# KiCad board panel.opm-inline.kicad_pcb (continued)
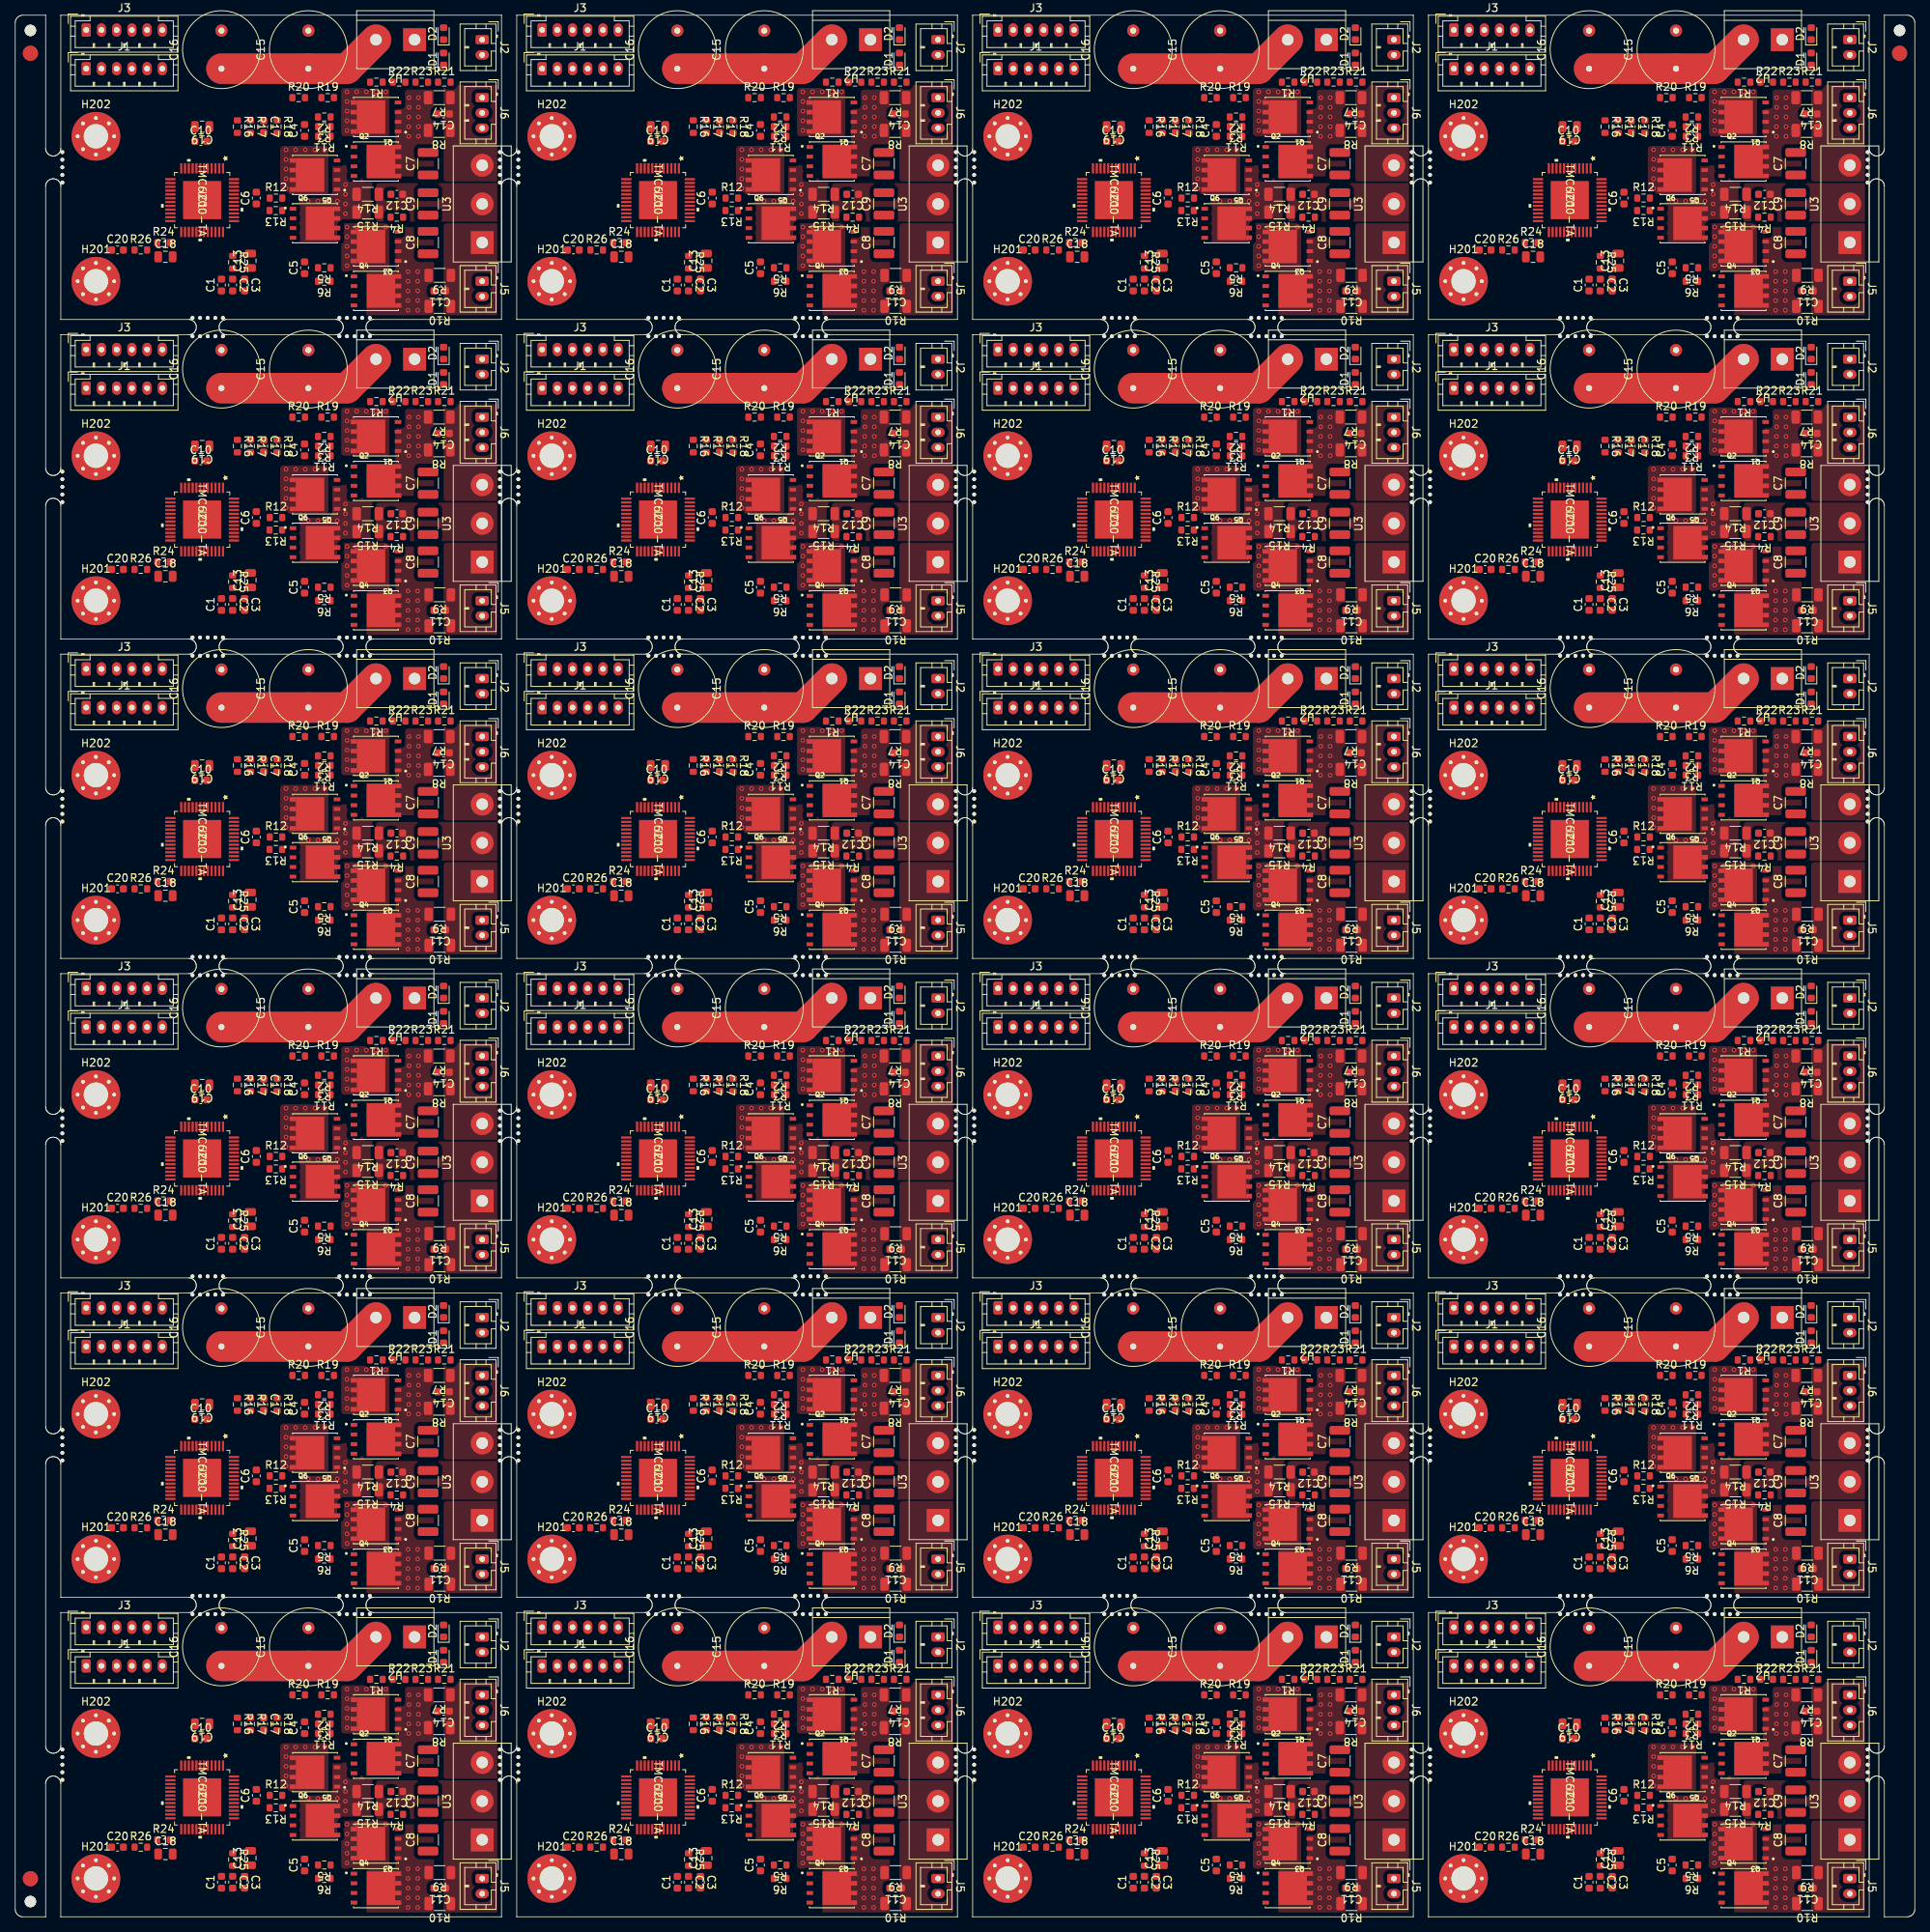
[diagram p0: board, top side]
## Placement (name value [footprint] x y rotation side) (continued)
C13#9  2.2uF/50V  [C_0805_2012Metric]  30.93 133.7 90 top
C13#10  2.2uF/50V  [C_0805_2012Metric]  90.88 133.7 90 top
C13#11  2.2uF/50V  [C_0805_2012Metric]  150.83 133.7 90 top
C13#12  2.2uF/50V  [C_0805_2012Metric]  210.78 133.7 90 top
C13#13  2.2uF/50V  [C_0805_2012Metric]  30.93 91.71 90 top
C13#14  2.2uF/50V  [C_0805_2012Metric]  90.88 91.71 90 top
C13#15  2.2uF/50V  [C_0805_2012Metric]  150.83 91.71 90 top
C13#16  2.2uF/50V  [C_0805_2012Metric]  210.78 91.71 90 top
C13#17  2.2uF/50V  [C_0805_2012Metric]  30.93 49.72 90 top
C13#18  2.2uF/50V  [C_0805_2012Metric]  90.88 49.72 90 top
C13#19  2.2uF/50V  [C_0805_2012Metric]  150.83 49.72 90 top
C13#20  2.2uF/50V  [C_0805_2012Metric]  210.78 49.72 90 top
C13#21  2.2uF/50V  [C_0805_2012Metric]  30.93 7.73 90 top
C13#22  2.2uF/50V  [C_0805_2012Metric]  90.88 7.73 90 top
C13#23  2.2uF/50V  [C_0805_2012Metric]  150.83 7.73 90 top
C13#24  2.2uF/50V  [C_0805_2012Metric]  210.78 7.73 90 top
C14  1nF/100V  [C_0603_1608Metric]  56.33 236.98 180 top
C14#2  1nF/100V  [C_0603_1608Metric]  116.28 236.98 180 top
C14#3  1nF/100V  [C_0603_1608Metric]  176.23 236.98 180 top
C14#4  1nF/100V  [C_0603_1608Metric]  236.18 236.98 180 top
C14#5  1nF/100V  [C_0603_1608Metric]  56.33 194.99 180 top
C14#6  1nF/100V  [C_0603_1608Metric]  116.28 194.99 180 top
C14#7  1nF/100V  [C_0603_1608Metric]  176.23 194.99 180 top
C14#8  1nF/100V  [C_0603_1608Metric]  236.18 194.99 180 top
C14#9  1nF/100V  [C_0603_1608Metric]  56.33 153 180 top
C14#10  1nF/100V  [C_0603_1608Metric]  116.28 153 180 top
C14#11  1nF/100V  [C_0603_1608Metric]  176.23 153 180 top
C14#12  1nF/100V  [C_0603_1608Metric]  236.18 153 180 top
C14#13  1nF/100V  [C_0603_1608Metric]  56.33 111.01 180 top
C14#14  1nF/100V  [C_0603_1608Metric]  116.28 111.01 180 top
C14#15  1nF/100V  [C_0603_1608Metric]  176.23 111.01 180 top
C14#16  1nF/100V  [C_0603_1608Metric]  236.18 111.01 180 top
C14#17  1nF/100V  [C_0603_1608Metric]  56.33 69.02 180 top
C14#18  1nF/100V  [C_0603_1608Metric]  116.28 69.02 180 top
C14#19  1nF/100V  [C_0603_1608Metric]  176.23 69.02 180 top
C14#20  1nF/100V  [C_0603_1608Metric]  236.18 69.02 180 top
C14#21  1nF/100V  [C_0603_1608Metric]  56.33 27.03 180 top
C14#22  1nF/100V  [C_0603_1608Metric]  116.28 27.03 180 top
C14#23  1nF/100V  [C_0603_1608Metric]  176.23 27.03 180 top
C14#24  1nF/100V  [C_0603_1608Metric]  236.18 27.03 180 top
C15  330uF/63V  [C_Radial_D10.0mm_H20.0mm_P5.00mm]  38.55 242.93 90 top
C15#2  330uF/63V  [C_Radial_D10.0mm_H20.0mm_P5.00mm]  98.5 242.93 90 top
C15#3  330uF/63V  [C_Radial_D10.0mm_H20.0mm_P5.00mm]  158.45 242.93 90 top
C15#4  330uF/63V  [C_Radial_D10.0mm_H20.0mm_P5.00mm]  218.4 242.93 90 top
C15#5  330uF/63V  [C_Radial_D10.0mm_H20.0mm_P5.00mm]  38.55 200.94 90 top
C15#6  330uF/63V  [C_Radial_D10.0mm_H20.0mm_P5.00mm]  98.5 200.94 90 top
C15#7  330uF/63V  [C_Radial_D10.0mm_H20.0mm_P5.00mm]  158.45 200.94 90 top
C15#8  330uF/63V  [C_Radial_D10.0mm_H20.0mm_P5.00mm]  218.4 200.94 90 top
C15#9  330uF/63V  [C_Radial_D10.0mm_H20.0mm_P5.00mm]  38.55 158.95 90 top
C15#10  330uF/63V  [C_Radial_D10.0mm_H20.0mm_P5.00mm]  98.5 158.95 90 top
C15#11  330uF/63V  [C_Radial_D10.0mm_H20.0mm_P5.00mm]  158.45 158.95 90 top
C15#12  330uF/63V  [C_Radial_D10.0mm_H20.0mm_P5.00mm]  218.4 158.95 90 top
C15#13  330uF/63V  [C_Radial_D10.0mm_H20.0mm_P5.00mm]  38.55 116.96 90 top
C15#14  330uF/63V  [C_Radial_D10.0mm_H20.0mm_P5.00mm]  98.5 116.96 90 top
C15#15  330uF/63V  [C_Radial_D10.0mm_H20.0mm_P5.00mm]  158.45 116.96 90 top
C15#16  330uF/63V  [C_Radial_D10.0mm_H20.0mm_P5.00mm]  218.4 116.96 90 top
C15#17  330uF/63V  [C_Radial_D10.0mm_H20.0mm_P5.00mm]  38.55 74.97 90 top
C15#18  330uF/63V  [C_Radial_D10.0mm_H20.0mm_P5.00mm]  98.5 74.97 90 top
C15#19  330uF/63V  [C_Radial_D10.0mm_H20.0mm_P5.00mm]  158.45 74.97 90 top
C15#20  330uF/63V  [C_Radial_D10.0mm_H20.0mm_P5.00mm]  218.4 74.97 90 top
C15#21  330uF/63V  [C_Radial_D10.0mm_H20.0mm_P5.00mm]  38.55 32.98 90 top
C15#22  330uF/63V  [C_Radial_D10.0mm_H20.0mm_P5.00mm]  98.5 32.98 90 top
C15#23  330uF/63V  [C_Radial_D10.0mm_H20.0mm_P5.00mm]  158.45 32.98 90 top
C15#24  330uF/63V  [C_Radial_D10.0mm_H20.0mm_P5.00mm]  218.4 32.98 90 top
C16  330uF/63V  [C_Radial_D10.0mm_H20.0mm_P5.00mm]  27.12 242.93 90 top
C16#2  330uF/63V  [C_Radial_D10.0mm_H20.0mm_P5.00mm]  87.07 242.93 90 top
C16#3  330uF/63V  [C_Radial_D10.0mm_H20.0mm_P5.00mm]  147.02 242.93 90 top
C16#4  330uF/63V  [C_Radial_D10.0mm_H20.0mm_P5.00mm]  206.97 242.93 90 top
C16#5  330uF/63V  [C_Radial_D10.0mm_H20.0mm_P5.00mm]  27.12 200.94 90 top
C16#6  330uF/63V  [C_Radial_D10.0mm_H20.0mm_P5.00mm]  87.07 200.94 90 top
C16#7  330uF/63V  [C_Radial_D10.0mm_H20.0mm_P5.00mm]  147.02 200.94 90 top
C16#8  330uF/63V  [C_Radial_D10.0mm_H20.0mm_P5.00mm]  206.97 200.94 90 top
C16#9  330uF/63V  [C_Radial_D10.0mm_H20.0mm_P5.00mm]  27.12 158.95 90 top
C16#10  330uF/63V  [C_Radial_D10.0mm_H20.0mm_P5.00mm]  87.07 158.95 90 top
C16#11  330uF/63V  [C_Radial_D10.0mm_H20.0mm_P5.00mm]  147.02 158.95 90 top
C16#12  330uF/63V  [C_Radial_D10.0mm_H20.0mm_P5.00mm]  206.97 158.95 90 top
C16#13  330uF/63V  [C_Radial_D10.0mm_H20.0mm_P5.00mm]  27.12 116.96 90 top
C16#14  330uF/63V  [C_Radial_D10.0mm_H20.0mm_P5.00mm]  87.07 116.96 90 top
C16#15  330uF/63V  [C_Radial_D10.0mm_H20.0mm_P5.00mm]  147.02 116.96 90 top
C16#16  330uF/63V  [C_Radial_D10.0mm_H20.0mm_P5.00mm]  206.97 116.96 90 top
C16#17  330uF/63V  [C_Radial_D10.0mm_H20.0mm_P5.00mm]  27.12 74.97 90 top
C16#18  330uF/63V  [C_Radial_D10.0mm_H20.0mm_P5.00mm]  87.07 74.97 90 top
C16#19  330uF/63V  [C_Radial_D10.0mm_H20.0mm_P5.00mm]  147.02 74.97 90 top
C16#20  330uF/63V  [C_Radial_D10.0mm_H20.0mm_P5.00mm]  206.97 74.97 90 top
C16#21  330uF/63V  [C_Radial_D10.0mm_H20.0mm_P5.00mm]  27.12 32.98 90 top
C16#22  330uF/63V  [C_Radial_D10.0mm_H20.0mm_P5.00mm]  87.07 32.98 90 top
C16#23  330uF/63V  [C_Radial_D10.0mm_H20.0mm_P5.00mm]  147.02 32.98 90 top
C16#24  330uF/63V  [C_Radial_D10.0mm_H20.0mm_P5.00mm]  206.97 32.98 90 top
C17  100nF/50V  [C_0603_1608Metric]  32.67 235.3 270 top
C17#2  100nF/50V  [C_0603_1608Metric]  92.62 235.3 270 top
C17#3  100nF/50V  [C_0603_1608Metric]  152.57 235.3 270 top
C17#4  100nF/50V  [C_0603_1608Metric]  212.52 235.3 270 top
C17#5  100nF/50V  [C_0603_1608Metric]  32.67 193.31 270 top
C17#6  100nF/50V  [C_0603_1608Metric]  92.62 193.31 270 top
C17#7  100nF/50V  [C_0603_1608Metric]  152.57 193.31 270 top
C17#8  100nF/50V  [C_0603_1608Metric]  212.52 193.31 270 top
C17#9  100nF/50V  [C_0603_1608Metric]  32.67 151.32 270 top
C17#10  100nF/50V  [C_0603_1608Metric]  92.62 151.32 270 top
C17#11  100nF/50V  [C_0603_1608Metric]  152.57 151.32 270 top
C17#12  100nF/50V  [C_0603_1608Metric]  212.52 151.32 270 top
C17#13  100nF/50V  [C_0603_1608Metric]  32.67 109.33 270 top
C17#14  100nF/50V  [C_0603_1608Metric]  92.62 109.33 270 top
C17#15  100nF/50V  [C_0603_1608Metric]  152.57 109.33 270 top
C17#16  100nF/50V  [C_0603_1608Metric]  212.52 109.33 270 top
C17#17  100nF/50V  [C_0603_1608Metric]  32.67 67.34 270 top
C17#18  100nF/50V  [C_0603_1608Metric]  92.62 67.34 270 top
C17#19  100nF/50V  [C_0603_1608Metric]  152.57 67.34 270 top
C17#20  100nF/50V  [C_0603_1608Metric]  212.52 67.34 270 top
C17#21  100nF/50V  [C_0603_1608Metric]  32.67 25.35 270 top
C17#22  100nF/50V  [C_0603_1608Metric]  92.62 25.35 270 top
C17#23  100nF/50V  [C_0603_1608Metric]  152.57 25.35 270 top
C17#24  100nF/50V  [C_0603_1608Metric]  212.52 25.35 270 top
C18  100nF/100V  [C_0805_2012Metric]  19.75 218.2 0 top
C18#2  100nF/100V  [C_0805_2012Metric]  79.7 218.2 0 top
C18#3  100nF/100V  [C_0805_2012Metric]  139.65 218.2 0 top
C18#4  100nF/100V  [C_0805_2012Metric]  199.6 218.2 0 top
C18#5  100nF/100V  [C_0805_2012Metric]  19.75 176.21 0 top
C18#6  100nF/100V  [C_0805_2012Metric]  79.7 176.21 0 top
C18#7  100nF/100V  [C_0805_2012Metric]  139.65 176.21 0 top
C18#8  100nF/100V  [C_0805_2012Metric]  199.6 176.21 0 top
C18#9  100nF/100V  [C_0805_2012Metric]  19.75 134.22 0 top
C18#10  100nF/100V  [C_0805_2012Metric]  79.7 134.22 0 top
C18#11  100nF/100V  [C_0805_2012Metric]  139.65 134.22 0 top
C18#12  100nF/100V  [C_0805_2012Metric]  199.6 134.22 0 top
C18#13  100nF/100V  [C_0805_2012Metric]  19.75 92.23 0 top
C18#14  100nF/100V  [C_0805_2012Metric]  79.7 92.23 0 top
C18#15  100nF/100V  [C_0805_2012Metric]  139.65 92.23 0 top
C18#16  100nF/100V  [C_0805_2012Metric]  199.6 92.23 0 top
C18#17  100nF/100V  [C_0805_2012Metric]  19.75 50.24 0 top
C18#18  100nF/100V  [C_0805_2012Metric]  79.7 50.24 0 top
C18#19  100nF/100V  [C_0805_2012Metric]  139.65 50.24 0 top
C18#20  100nF/100V  [C_0805_2012Metric]  199.6 50.24 0 top
C18#21  100nF/100V  [C_0805_2012Metric]  19.75 8.25 0 top
C18#22  100nF/100V  [C_0805_2012Metric]  79.7 8.25 0 top
C18#23  100nF/100V  [C_0805_2012Metric]  139.65 8.25 0 top
C18#24  100nF/100V  [C_0805_2012Metric]  199.6 8.25 0 top
C19  2.2uF/50V  [C_0805_2012Metric]  24.58 235.31 180 top
C19#2  2.2uF/50V  [C_0805_2012Metric]  84.53 235.31 180 top
C19#3  2.2uF/50V  [C_0805_2012Metric]  144.48 235.31 180 top
C19#4  2.2uF/50V  [C_0805_2012Metric]  204.43 235.31 180 top
C19#5  2.2uF/50V  [C_0805_2012Metric]  24.58 193.32 180 top
C19#6  2.2uF/50V  [C_0805_2012Metric]  84.53 193.32 180 top
C19#7  2.2uF/50V  [C_0805_2012Metric]  144.48 193.32 180 top
C19#8  2.2uF/50V  [C_0805_2012Metric]  204.43 193.32 180 top
C19#9  2.2uF/50V  [C_0805_2012Metric]  24.58 151.33 180 top
C19#10  2.2uF/50V  [C_0805_2012Metric]  84.53 151.33 180 top
C19#11  2.2uF/50V  [C_0805_2012Metric]  144.48 151.33 180 top
C19#12  2.2uF/50V  [C_0805_2012Metric]  204.43 151.33 180 top
C19#13  2.2uF/50V  [C_0805_2012Metric]  24.58 109.34 180 top
C19#14  2.2uF/50V  [C_0805_2012Metric]  84.53 109.34 180 top
C19#15  2.2uF/50V  [C_0805_2012Metric]  144.48 109.34 180 top
C19#16  2.2uF/50V  [C_0805_2012Metric]  204.43 109.34 180 top
C19#17  2.2uF/50V  [C_0805_2012Metric]  24.58 67.35 180 top
C19#18  2.2uF/50V  [C_0805_2012Metric]  84.53 67.35 180 top
C19#19  2.2uF/50V  [C_0805_2012Metric]  144.48 67.35 180 top
C19#20  2.2uF/50V  [C_0805_2012Metric]  204.43 67.35 180 top
C19#21  2.2uF/50V  [C_0805_2012Metric]  24.58 25.36 180 top
C19#22  2.2uF/50V  [C_0805_2012Metric]  84.53 25.36 180 top
C19#23  2.2uF/50V  [C_0805_2012Metric]  144.48 25.36 180 top
C19#24  2.2uF/50V  [C_0805_2012Metric]  204.43 25.36 180 top
C20  100nF/50V  [C_0603_1608Metric]  13.46 219.1 0 top
C20#2  100nF/50V  [C_0603_1608Metric]  73.41 219.1 0 top
C20#3  100nF/50V  [C_0603_1608Metric]  133.36 219.1 0 top
C20#4  100nF/50V  [C_0603_1608Metric]  193.31 219.1 0 top
C20#5  100nF/50V  [C_0603_1608Metric]  13.46 177.11 0 top
C20#6  100nF/50V  [C_0603_1608Metric]  73.41 177.11 0 top
C20#7  100nF/50V  [C_0603_1608Metric]  133.36 177.11 0 top
C20#8  100nF/50V  [C_0603_1608Metric]  193.31 177.11 0 top
C20#9  100nF/50V  [C_0603_1608Metric]  13.46 135.12 0 top
C20#10  100nF/50V  [C_0603_1608Metric]  73.41 135.12 0 top
C20#11  100nF/50V  [C_0603_1608Metric]  133.36 135.12 0 top
C20#12  100nF/50V  [C_0603_1608Metric]  193.31 135.12 0 top
C20#13  100nF/50V  [C_0603_1608Metric]  13.46 93.13 0 top
C20#14  100nF/50V  [C_0603_1608Metric]  73.41 93.13 0 top
C20#15  100nF/50V  [C_0603_1608Metric]  133.36 93.13 0 top
C20#16  100nF/50V  [C_0603_1608Metric]  193.31 93.13 0 top
C20#17  100nF/50V  [C_0603_1608Metric]  13.46 51.14 0 top
C20#18  100nF/50V  [C_0603_1608Metric]  73.41 51.14 0 top
C20#19  100nF/50V  [C_0603_1608Metric]  133.36 51.14 0 top
C20#20  100nF/50V  [C_0603_1608Metric]  193.31 51.14 0 top
C20#21  100nF/50V  [C_0603_1608Metric]  13.46 9.15 0 top
C20#22  100nF/50V  [C_0603_1608Metric]  73.41 9.15 0 top
C20#23  100nF/50V  [C_0603_1608Metric]  133.36 9.15 0 top
C20#24  100nF/50V  [C_0603_1608Metric]  193.31 9.15 0 top
D1  19-217/GHC-YR1S2/3T  [LED_0603_1608Metric]  56.33 244.2 90 top
D1#2  19-217/GHC-YR1S2/3T  [LED_0603_1608Metric]  116.28 244.2 90 top
D1#3  19-217/GHC-YR1S2/3T  [LED_0603_1608Metric]  176.23 244.2 90 top
D1#4  19-217/GHC-YR1S2/3T  [LED_0603_1608Metric]  236.18 244.2 90 top
D1#5  19-217/GHC-YR1S2/3T  [LED_0603_1608Metric]  56.33 202.21 90 top
D1#6  19-217/GHC-YR1S2/3T  [LED_0603_1608Metric]  116.28 202.21 90 top
D1#7  19-217/GHC-YR1S2/3T  [LED_0603_1608Metric]  176.23 202.21 90 top
D1#8  19-217/GHC-YR1S2/3T  [LED_0603_1608Metric]  236.18 202.21 90 top
D1#9  19-217/GHC-YR1S2/3T  [LED_0603_1608Metric]  56.33 160.22 90 top
D1#10  19-217/GHC-YR1S2/3T  [LED_0603_1608Metric]  116.28 160.22 90 top
D1#11  19-217/GHC-YR1S2/3T  [LED_0603_1608Metric]  176.23 160.22 90 top
D1#12  19-217/GHC-YR1S2/3T  [LED_0603_1608Metric]  236.18 160.22 90 top
D1#13  19-217/GHC-YR1S2/3T  [LED_0603_1608Metric]  56.33 118.23 90 top
D1#14  19-217/GHC-YR1S2/3T  [LED_0603_1608Metric]  116.28 118.23 90 top
D1#15  19-217/GHC-YR1S2/3T  [LED_0603_1608Metric]  176.23 118.23 90 top
D1#16  19-217/GHC-YR1S2/3T  [LED_0603_1608Metric]  236.18 118.23 90 top
D1#17  19-217/GHC-YR1S2/3T  [LED_0603_1608Metric]  56.33 76.24 90 top
D1#18  19-217/GHC-YR1S2/3T  [LED_0603_1608Metric]  116.28 76.24 90 top
D1#19  19-217/GHC-YR1S2/3T  [LED_0603_1608Metric]  176.23 76.24 90 top
D1#20  19-217/GHC-YR1S2/3T  [LED_0603_1608Metric]  236.18 76.24 90 top
D1#21  19-217/GHC-YR1S2/3T  [LED_0603_1608Metric]  56.33 34.25 90 top
D1#22  19-217/GHC-YR1S2/3T  [LED_0603_1608Metric]  116.28 34.25 90 top
D1#23  19-217/GHC-YR1S2/3T  [LED_0603_1608Metric]  176.23 34.25 90 top
D1#24  19-217/GHC-YR1S2/3T  [LED_0603_1608Metric]  236.18 34.25 90 top
D2  19-217/GHC-YR1S2/3T  [LED_0603_1608Metric]  56.33 247.52 90 top
D2#2  19-217/GHC-YR1S2/3T  [LED_0603_1608Metric]  116.28 247.52 90 top
D2#3  19-217/GHC-YR1S2/3T  [LED_0603_1608Metric]  176.23 247.52 90 top
D2#4  19-217/GHC-YR1S2/3T  [LED_0603_1608Metric]  236.18 247.52 90 top
D2#5  19-217/GHC-YR1S2/3T  [LED_0603_1608Metric]  56.33 205.53 90 top
D2#6  19-217/GHC-YR1S2/3T  [LED_0603_1608Metric]  116.28 205.53 90 top
D2#7  19-217/GHC-YR1S2/3T  [LED_0603_1608Metric]  176.23 205.53 90 top
D2#8  19-217/GHC-YR1S2/3T  [LED_0603_1608Metric]  236.18 205.53 90 top
D2#9  19-217/GHC-YR1S2/3T  [LED_0603_1608Metric]  56.33 163.54 90 top
D2#10  19-217/GHC-YR1S2/3T  [LED_0603_1608Metric]  116.28 163.54 90 top
D2#11  19-217/GHC-YR1S2/3T  [LED_0603_1608Metric]  176.23 163.54 90 top
D2#12  19-217/GHC-YR1S2/3T  [LED_0603_1608Metric]  236.18 163.54 90 top
D2#13  19-217/GHC-YR1S2/3T  [LED_0603_1608Metric]  56.33 121.55 90 top
D2#14  19-217/GHC-YR1S2/3T  [LED_0603_1608Metric]  116.28 121.55 90 top
D2#15  19-217/GHC-YR1S2/3T  [LED_0603_1608Metric]  176.23 121.55 90 top
D2#16  19-217/GHC-YR1S2/3T  [LED_0603_1608Metric]  236.18 121.55 90 top
D2#17  19-217/GHC-YR1S2/3T  [LED_0603_1608Metric]  56.33 79.56 90 top
D2#18  19-217/GHC-YR1S2/3T  [LED_0603_1608Metric]  116.28 79.56 90 top
D2#19  19-217/GHC-YR1S2/3T  [LED_0603_1608Metric]  176.23 79.56 90 top
D2#20  19-217/GHC-YR1S2/3T  [LED_0603_1608Metric]  236.18 79.56 90 top
D2#21  19-217/GHC-YR1S2/3T  [LED_0603_1608Metric]  56.33 37.57 90 top
D2#22  19-217/GHC-YR1S2/3T  [LED_0603_1608Metric]  116.28 37.57 90 top
D2#23  19-217/GHC-YR1S2/3T  [LED_0603_1608Metric]  176.23 37.57 90 top
D2#24  19-217/GHC-YR1S2/3T  [LED_0603_1608Metric]  236.18 37.57 90 top
H201  MountingHole  [MountingHole_3.2mm_M3_Pad_Via]  10.61 214.99 0 top
H201#2  MountingHole  [MountingHole_3.2mm_M3_Pad_Via]  70.56 214.99 0 top
H201#3  MountingHole  [MountingHole_3.2mm_M3_Pad_Via]  130.51 214.99 0 top
H201#4  MountingHole  [MountingHole_3.2mm_M3_Pad_Via]  190.46 214.99 0 top
H201#5  MountingHole  [MountingHole_3.2mm_M3_Pad_Via]  10.61 173 0 top
H201#6  MountingHole  [MountingHole_3.2mm_M3_Pad_Via]  70.56 173 0 top
H201#7  MountingHole  [MountingHole_3.2mm_M3_Pad_Via]  130.51 173 0 top
H201#8  MountingHole  [MountingHole_3.2mm_M3_Pad_Via]  190.46 173 0 top
H201#9  MountingHole  [MountingHole_3.2mm_M3_Pad_Via]  10.61 131.01 0 top
H201#10  MountingHole  [MountingHole_3.2mm_M3_Pad_Via]  70.56 131.01 0 top
H201#11  MountingHole  [MountingHole_3.2mm_M3_Pad_Via]  130.51 131.01 0 top
H201#12  MountingHole  [MountingHole_3.2mm_M3_Pad_Via]  190.46 131.01 0 top
H201#13  MountingHole  [MountingHole_3.2mm_M3_Pad_Via]  10.61 89.02 0 top
H201#14  MountingHole  [MountingHole_3.2mm_M3_Pad_Via]  70.56 89.02 0 top
H201#15  MountingHole  [MountingHole_3.2mm_M3_Pad_Via]  130.51 89.02 0 top
H201#16  MountingHole  [MountingHole_3.2mm_M3_Pad_Via]  190.46 89.02 0 top
H201#17  MountingHole  [MountingHole_3.2mm_M3_Pad_Via]  10.61 47.03 0 top
H201#18  MountingHole  [MountingHole_3.2mm_M3_Pad_Via]  70.56 47.03 0 top
H201#19  MountingHole  [MountingHole_3.2mm_M3_Pad_Via]  130.51 47.03 0 top
H201#20  MountingHole  [MountingHole_3.2mm_M3_Pad_Via]  190.46 47.03 0 top
H201#21  MountingHole  [MountingHole_3.2mm_M3_Pad_Via]  10.61 5.04 0 top
H201#22  MountingHole  [MountingHole_3.2mm_M3_Pad_Via]  70.56 5.04 0 top
H201#23  MountingHole  [MountingHole_3.2mm_M3_Pad_Via]  130.51 5.04 0 top
H201#24  MountingHole  [MountingHole_3.2mm_M3_Pad_Via]  190.46 5.04 0 top
H202  MountingHole  [MountingHole_3.2mm_M3_Pad_Via]  10.61 234.04 0 top
H202#2  MountingHole  [MountingHole_3.2mm_M3_Pad_Via]  70.56 234.04 0 top
H202#3  MountingHole  [MountingHole_3.2mm_M3_Pad_Via]  130.51 234.04 0 top
H202#4  MountingHole  [MountingHole_3.2mm_M3_Pad_Via]  190.46 234.04 0 top
H202#5  MountingHole  [MountingHole_3.2mm_M3_Pad_Via]  10.61 192.05 0 top
H202#6  MountingHole  [MountingHole_3.2mm_M3_Pad_Via]  70.56 192.05 0 top
H202#7  MountingHole  [MountingHole_3.2mm_M3_Pad_Via]  130.51 192.05 0 top
H202#8  MountingHole  [MountingHole_3.2mm_M3_Pad_Via]  190.46 192.05 0 top
H202#9  MountingHole  [MountingHole_3.2mm_M3_Pad_Via]  10.61 150.06 0 top
H202#10  MountingHole  [MountingHole_3.2mm_M3_Pad_Via]  70.56 150.06 0 top
H202#11  MountingHole  [MountingHole_3.2mm_M3_Pad_Via]  130.51 150.06 0 top
H202#12  MountingHole  [MountingHole_3.2mm_M3_Pad_Via]  190.46 150.06 0 top
H202#13  MountingHole  [MountingHole_3.2mm_M3_Pad_Via]  10.61 108.07 0 top
H202#14  MountingHole  [MountingHole_3.2mm_M3_Pad_Via]  70.56 108.07 0 top
H202#15  MountingHole  [MountingHole_3.2mm_M3_Pad_Via]  130.51 108.07 0 top
H202#16  MountingHole  [MountingHole_3.2mm_M3_Pad_Via]  190.46 108.07 0 top
H202#17  MountingHole  [MountingHole_3.2mm_M3_Pad_Via]  10.61 66.08 0 top
H202#18  MountingHole  [MountingHole_3.2mm_M3_Pad_Via]  70.56 66.08 0 top
H202#19  MountingHole  [MountingHole_3.2mm_M3_Pad_Via]  130.51 66.08 0 top
H202#20  MountingHole  [MountingHole_3.2mm_M3_Pad_Via]  190.46 66.08 0 top
H202#21  MountingHole  [MountingHole_3.2mm_M3_Pad_Via]  10.61 24.09 0 top
H202#22  MountingHole  [MountingHole_3.2mm_M3_Pad_Via]  70.56 24.09 0 top
H202#23  MountingHole  [MountingHole_3.2mm_M3_Pad_Via]  130.51 24.09 0 top
H202#24  MountingHole  [MountingHole_3.2mm_M3_Pad_Via]  190.46 24.09 0 top
IC1  -  [TMC6200-TA]  24.58 225.65 270 top
IC1#2  -  [TMC6200-TA]  84.53 225.65 270 top
IC1#3  -  [TMC6200-TA]  144.48 225.65 270 top
IC1#4  -  [TMC6200-TA]  204.43 225.65 270 top
IC1#5  -  [TMC6200-TA]  24.58 183.66 270 top
IC1#6  -  [TMC6200-TA]  84.53 183.66 270 top
IC1#7  -  [TMC6200-TA]  144.48 183.66 270 top
IC1#8  -  [TMC6200-TA]  204.43 183.66 270 top
IC1#9  -  [TMC6200-TA]  24.58 141.67 270 top
IC1#10  -  [TMC6200-TA]  84.53 141.67 270 top
IC1#11  -  [TMC6200-TA]  144.48 141.67 270 top
IC1#12  -  [TMC6200-TA]  204.43 141.67 270 top
IC1#13  -  [TMC6200-TA]  24.58 99.68 270 top
IC1#14  -  [TMC6200-TA]  84.53 99.68 270 top
IC1#15  -  [TMC6200-TA]  144.48 99.68 270 top
IC1#16  -  [TMC6200-TA]  204.43 99.68 270 top
IC1#17  -  [TMC6200-TA]  24.58 57.69 270 top
IC1#18  -  [TMC6200-TA]  84.53 57.69 270 top
IC1#19  -  [TMC6200-TA]  144.48 57.69 270 top
IC1#20  -  [TMC6200-TA]  204.43 57.69 270 top
IC1#21  -  [TMC6200-TA]  24.58 15.7 270 top
IC1#22  -  [TMC6200-TA]  84.53 15.7 270 top
IC1#23  -  [TMC6200-TA]  144.48 15.7 270 top
IC1#24  -  [TMC6200-TA]  204.43 15.7 270 top
J1  SPI/Info  [JST_PH_B6B-PH-K_1x06_P2.00mm_Vertical]  9.34 242.93 0 top
J1#2  SPI/Info  [JST_PH_B6B-PH-K_1x06_P2.00mm_Vertical]  69.29 242.93 0 top
J1#3  SPI/Info  [JST_PH_B6B-PH-K_1x06_P2.00mm_Vertical]  129.24 242.93 0 top
J1#4  SPI/Info  [JST_PH_B6B-PH-K_1x06_P2.00mm_Vertical]  189.19 242.93 0 top
J1#5  SPI/Info  [JST_PH_B6B-PH-K_1x06_P2.00mm_Vertical]  9.34 200.94 0 top
J1#6  SPI/Info  [JST_PH_B6B-PH-K_1x06_P2.00mm_Vertical]  69.29 200.94 0 top
J1#7  SPI/Info  [JST_PH_B6B-PH-K_1x06_P2.00mm_Vertical]  129.24 200.94 0 top
J1#8  SPI/Info  [JST_PH_B6B-PH-K_1x06_P2.00mm_Vertical]  189.19 200.94 0 top
J1#9  SPI/Info  [JST_PH_B6B-PH-K_1x06_P2.00mm_Vertical]  9.34 158.95 0 top
J1#10  SPI/Info  [JST_PH_B6B-PH-K_1x06_P2.00mm_Vertical]  69.29 158.95 0 top
J1#11  SPI/Info  [JST_PH_B6B-PH-K_1x06_P2.00mm_Vertical]  129.24 158.95 0 top
J1#12  SPI/Info  [JST_PH_B6B-PH-K_1x06_P2.00mm_Vertical]  189.19 158.95 0 top
J1#13  SPI/Info  [JST_PH_B6B-PH-K_1x06_P2.00mm_Vertical]  9.34 116.96 0 top
J1#14  SPI/Info  [JST_PH_B6B-PH-K_1x06_P2.00mm_Vertical]  69.29 116.96 0 top
J1#15  SPI/Info  [JST_PH_B6B-PH-K_1x06_P2.00mm_Vertical]  129.24 116.96 0 top
J1#16  SPI/Info  [JST_PH_B6B-PH-K_1x06_P2.00mm_Vertical]  189.19 116.96 0 top
J1#17  SPI/Info  [JST_PH_B6B-PH-K_1x06_P2.00mm_Vertical]  9.34 74.97 0 top
J1#18  SPI/Info  [JST_PH_B6B-PH-K_1x06_P2.00mm_Vertical]  69.29 74.97 0 top
J1#19  SPI/Info  [JST_PH_B6B-PH-K_1x06_P2.00mm_Vertical]  129.24 74.97 0 top
J1#20  SPI/Info  [JST_PH_B6B-PH-K_1x06_P2.00mm_Vertical]  189.19 74.97 0 top
J1#21  SPI/Info  [JST_PH_B6B-PH-K_1x06_P2.00mm_Vertical]  9.34 32.98 0 top
J1#22  SPI/Info  [JST_PH_B6B-PH-K_1x06_P2.00mm_Vertical]  69.29 32.98 0 top
J1#23  SPI/Info  [JST_PH_B6B-PH-K_1x06_P2.00mm_Vertical]  129.24 32.98 0 top
J1#24  SPI/Info  [JST_PH_B6B-PH-K_1x06_P2.00mm_Vertical]  189.19 32.98 0 top
J2  VCC_IO  [JST_PH_B2B-PH-K_1x02_P2.00mm_Vertical]  61.41 246.74 270 top
J2#2  VCC_IO  [JST_PH_B2B-PH-K_1x02_P2.00mm_Vertical]  121.36 246.74 270 top
J2#3  VCC_IO  [JST_PH_B2B-PH-K_1x02_P2.00mm_Vertical]  181.31 246.74 270 top
J2#4  VCC_IO  [JST_PH_B2B-PH-K_1x02_P2.00mm_Vertical]  241.26 246.74 270 top
J2#5  VCC_IO  [JST_PH_B2B-PH-K_1x02_P2.00mm_Vertical]  61.41 204.75 270 top
J2#6  VCC_IO  [JST_PH_B2B-PH-K_1x02_P2.00mm_Vertical]  121.36 204.75 270 top
J2#7  VCC_IO  [JST_PH_B2B-PH-K_1x02_P2.00mm_Vertical]  181.31 204.75 270 top
J2#8  VCC_IO  [JST_PH_B2B-PH-K_1x02_P2.00mm_Vertical]  241.26 204.75 270 top
J2#9  VCC_IO  [JST_PH_B2B-PH-K_1x02_P2.00mm_Vertical]  61.41 162.76 270 top
J2#10  VCC_IO  [JST_PH_B2B-PH-K_1x02_P2.00mm_Vertical]  121.36 162.76 270 top
J2#11  VCC_IO  [JST_PH_B2B-PH-K_1x02_P2.00mm_Vertical]  181.31 162.76 270 top
J2#12  VCC_IO  [JST_PH_B2B-PH-K_1x02_P2.00mm_Vertical]  241.26 162.76 270 top
J2#13  VCC_IO  [JST_PH_B2B-PH-K_1x02_P2.00mm_Vertical]  61.41 120.77 270 top
J2#14  VCC_IO  [JST_PH_B2B-PH-K_1x02_P2.00mm_Vertical]  121.36 120.77 270 top
J2#15  VCC_IO  [JST_PH_B2B-PH-K_1x02_P2.00mm_Vertical]  181.31 120.77 270 top
J2#16  VCC_IO  [JST_PH_B2B-PH-K_1x02_P2.00mm_Vertical]  241.26 120.77 270 top
J2#17  VCC_IO  [JST_PH_B2B-PH-K_1x02_P2.00mm_Vertical]  61.41 78.78 270 top
J2#18  VCC_IO  [JST_PH_B2B-PH-K_1x02_P2.00mm_Vertical]  121.36 78.78 270 top
J2#19  VCC_IO  [JST_PH_B2B-PH-K_1x02_P2.00mm_Vertical]  181.31 78.78 270 top
J2#20  VCC_IO  [JST_PH_B2B-PH-K_1x02_P2.00mm_Vertical]  241.26 78.78 270 top
J2#21  VCC_IO  [JST_PH_B2B-PH-K_1x02_P2.00mm_Vertical]  61.41 36.79 270 top
J2#22  VCC_IO  [JST_PH_B2B-PH-K_1x02_P2.00mm_Vertical]  121.36 36.79 270 top
J2#23  VCC_IO  [JST_PH_B2B-PH-K_1x02_P2.00mm_Vertical]  181.31 36.79 270 top
J2#24  VCC_IO  [JST_PH_B2B-PH-K_1x02_P2.00mm_Vertical]  241.26 36.79 270 top
J3  PWMx6  [JST_PH_B6B-PH-K_1x06_P2.00mm_Vertical]  9.34 248.01 0 top
J3#2  PWMx6  [JST_PH_B6B-PH-K_1x06_P2.00mm_Vertical]  69.29 248.01 0 top
J3#3  PWMx6  [JST_PH_B6B-PH-K_1x06_P2.00mm_Vertical]  129.24 248.01 0 top
J3#4  PWMx6  [JST_PH_B6B-PH-K_1x06_P2.00mm_Vertical]  189.19 248.01 0 top
J3#5  PWMx6  [JST_PH_B6B-PH-K_1x06_P2.00mm_Vertical]  9.34 206.02 0 top
J3#6  PWMx6  [JST_PH_B6B-PH-K_1x06_P2.00mm_Vertical]  69.29 206.02 0 top
J3#7  PWMx6  [JST_PH_B6B-PH-K_1x06_P2.00mm_Vertical]  129.24 206.02 0 top
J3#8  PWMx6  [JST_PH_B6B-PH-K_1x06_P2.00mm_Vertical]  189.19 206.02 0 top
J3#9  PWMx6  [JST_PH_B6B-PH-K_1x06_P2.00mm_Vertical]  9.34 164.03 0 top
J3#10  PWMx6  [JST_PH_B6B-PH-K_1x06_P2.00mm_Vertical]  69.29 164.03 0 top
J3#11  PWMx6  [JST_PH_B6B-PH-K_1x06_P2.00mm_Vertical]  129.24 164.03 0 top
J3#12  PWMx6  [JST_PH_B6B-PH-K_1x06_P2.00mm_Vertical]  189.19 164.03 0 top
J3#13  PWMx6  [JST_PH_B6B-PH-K_1x06_P2.00mm_Vertical]  9.34 122.04 0 top
J3#14  PWMx6  [JST_PH_B6B-PH-K_1x06_P2.00mm_Vertical]  69.29 122.04 0 top
J3#15  PWMx6  [JST_PH_B6B-PH-K_1x06_P2.00mm_Vertical]  129.24 122.04 0 top
J3#16  PWMx6  [JST_PH_B6B-PH-K_1x06_P2.00mm_Vertical]  189.19 122.04 0 top
J3#17  PWMx6  [JST_PH_B6B-PH-K_1x06_P2.00mm_Vertical]  9.34 80.05 0 top
J3#18  PWMx6  [JST_PH_B6B-PH-K_1x06_P2.00mm_Vertical]  69.29 80.05 0 top
J3#19  PWMx6  [JST_PH_B6B-PH-K_1x06_P2.00mm_Vertical]  129.24 80.05 0 top
J3#20  PWMx6  [JST_PH_B6B-PH-K_1x06_P2.00mm_Vertical]  189.19 80.05 0 top
J3#21  PWMx6  [JST_PH_B6B-PH-K_1x06_P2.00mm_Vertical]  9.34 38.06 0 top
J3#22  PWMx6  [JST_PH_B6B-PH-K_1x06_P2.00mm_Vertical]  69.29 38.06 0 top
J3#23  PWMx6  [JST_PH_B6B-PH-K_1x06_P2.00mm_Vertical]  129.24 38.06 0 top
J3#24  PWMx6  [JST_PH_B6B-PH-K_1x06_P2.00mm_Vertical]  189.19 38.06 0 top
J5  Temperature  [JST_PH_B2B-PH-K_1x02_P2.00mm_Vertical]  61.41 214.99 270 top
J5#2  Temperature  [JST_PH_B2B-PH-K_1x02_P2.00mm_Vertical]  121.36 214.99 270 top
J5#3  Temperature  [JST_PH_B2B-PH-K_1x02_P2.00mm_Vertical]  181.31 214.99 270 top
J5#4  Temperature  [JST_PH_B2B-PH-K_1x02_P2.00mm_Vertical]  241.26 214.99 270 top
J5#5  Temperature  [JST_PH_B2B-PH-K_1x02_P2.00mm_Vertical]  61.41 173 270 top
J5#6  Temperature  [JST_PH_B2B-PH-K_1x02_P2.00mm_Vertical]  121.36 173 270 top
J5#7  Temperature  [JST_PH_B2B-PH-K_1x02_P2.00mm_Vertical]  181.31 173 270 top
J5#8  Temperature  [JST_PH_B2B-PH-K_1x02_P2.00mm_Vertical]  241.26 173 270 top
J5#9  Temperature  [JST_PH_B2B-PH-K_1x02_P2.00mm_Vertical]  61.41 131.01 270 top
J5#10  Temperature  [JST_PH_B2B-PH-K_1x02_P2.00mm_Vertical]  121.36 131.01 270 top
J5#11  Temperature  [JST_PH_B2B-PH-K_1x02_P2.00mm_Vertical]  181.31 131.01 270 top
J5#12  Temperature  [JST_PH_B2B-PH-K_1x02_P2.00mm_Vertical]  241.26 131.01 270 top
J5#13  Temperature  [JST_PH_B2B-PH-K_1x02_P2.00mm_Vertical]  61.41 89.02 270 top
J5#14  Temperature  [JST_PH_B2B-PH-K_1x02_P2.00mm_Vertical]  121.36 89.02 270 top
J5#15  Temperature  [JST_PH_B2B-PH-K_1x02_P2.00mm_Vertical]  181.31 89.02 270 top
J5#16  Temperature  [JST_PH_B2B-PH-K_1x02_P2.00mm_Vertical]  241.26 89.02 270 top
J5#17  Temperature  [JST_PH_B2B-PH-K_1x02_P2.00mm_Vertical]  61.41 47.03 270 top
J5#18  Temperature  [JST_PH_B2B-PH-K_1x02_P2.00mm_Vertical]  121.36 47.03 270 top
J5#19  Temperature  [JST_PH_B2B-PH-K_1x02_P2.00mm_Vertical]  181.31 47.03 270 top
J5#20  Temperature  [JST_PH_B2B-PH-K_1x02_P2.00mm_Vertical]  241.26 47.03 270 top
J5#21  Temperature  [JST_PH_B2B-PH-K_1x02_P2.00mm_Vertical]  61.41 5.04 270 top
J5#22  Temperature  [JST_PH_B2B-PH-K_1x02_P2.00mm_Vertical]  121.36 5.04 270 top
J5#23  Temperature  [JST_PH_B2B-PH-K_1x02_P2.00mm_Vertical]  181.31 5.04 270 top
J5#24  Temperature  [JST_PH_B2B-PH-K_1x02_P2.00mm_Vertical]  241.26 5.04 270 top
J6  Current Sensing  [JST_PH_B3B-PH-K_1x03_P2.00mm_Vertical]  61.41 239.12 270 top
J6#2  Current Sensing  [JST_PH_B3B-PH-K_1x03_P2.00mm_Vertical]  121.36 239.12 270 top
J6#3  Current Sensing  [JST_PH_B3B-PH-K_1x03_P2.00mm_Vertical]  181.31 239.12 270 top
J6#4  Current Sensing  [JST_PH_B3B-PH-K_1x03_P2.00mm_Vertical]  241.26 239.12 270 top
J6#5  Current Sensing  [JST_PH_B3B-PH-K_1x03_P2.00mm_Vertical]  61.41 197.13 270 top
J6#6  Current Sensing  [JST_PH_B3B-PH-K_1x03_P2.00mm_Vertical]  121.36 197.13 270 top
J6#7  Current Sensing  [JST_PH_B3B-PH-K_1x03_P2.00mm_Vertical]  181.31 197.13 270 top
J6#8  Current Sensing  [JST_PH_B3B-PH-K_1x03_P2.00mm_Vertical]  241.26 197.13 270 top
J6#9  Current Sensing  [JST_PH_B3B-PH-K_1x03_P2.00mm_Vertical]  61.41 155.14 270 top
J6#10  Current Sensing  [JST_PH_B3B-PH-K_1x03_P2.00mm_Vertical]  121.36 155.14 270 top
J6#11  Current Sensing  [JST_PH_B3B-PH-K_1x03_P2.00mm_Vertical]  181.31 155.14 270 top
J6#12  Current Sensing  [JST_PH_B3B-PH-K_1x03_P2.00mm_Vertical]  241.26 155.14 270 top
J6#13  Current Sensing  [JST_PH_B3B-PH-K_1x03_P2.00mm_Vertical]  61.41 113.15 270 top
J6#14  Current Sensing  [JST_PH_B3B-PH-K_1x03_P2.00mm_Vertical]  121.36 113.15 270 top
J6#15  Current Sensing  [JST_PH_B3B-PH-K_1x03_P2.00mm_Vertical]  181.31 113.15 270 top
J6#16  Current Sensing  [JST_PH_B3B-PH-K_1x03_P2.00mm_Vertical]  241.26 113.15 270 top
J6#17  Current Sensing  [JST_PH_B3B-PH-K_1x03_P2.00mm_Vertical]  61.41 71.16 270 top
J6#18  Current Sensing  [JST_PH_B3B-PH-K_1x03_P2.00mm_Vertical]  121.36 71.16 270 top
J6#19  Current Sensing  [JST_PH_B3B-PH-K_1x03_P2.00mm_Vertical]  181.31 71.16 270 top
J6#20  Current Sensing  [JST_PH_B3B-PH-K_1x03_P2.00mm_Vertical]  241.26 71.16 270 top
J6#21  Current Sensing  [JST_PH_B3B-PH-K_1x03_P2.00mm_Vertical]  61.41 29.17 270 top
J6#22  Current Sensing  [JST_PH_B3B-PH-K_1x03_P2.00mm_Vertical]  121.36 29.17 270 top
J6#23  Current Sensing  [JST_PH_B3B-PH-K_1x03_P2.00mm_Vertical]  181.31 29.17 270 top
J6#24  Current Sensing  [JST_PH_B3B-PH-K_1x03_P2.00mm_Vertical]  241.26 29.17 270 top
Q1  HYG025N06LS1C2  [PDFN-8]  47.44 236.58 180 top
Q1#2  HYG025N06LS1C2  [PDFN-8]  107.39 236.58 180 top
Q1#3  HYG025N06LS1C2  [PDFN-8]  167.34 236.58 180 top
Q1#4  HYG025N06LS1C2  [PDFN-8]  227.29 236.58 180 top
Q1#5  HYG025N06LS1C2  [PDFN-8]  47.44 194.59 180 top
Q1#6  HYG025N06LS1C2  [PDFN-8]  107.39 194.59 180 top
Q1#7  HYG025N06LS1C2  [PDFN-8]  167.34 194.59 180 top
Q1#8  HYG025N06LS1C2  [PDFN-8]  227.29 194.59 180 top
Q1#9  HYG025N06LS1C2  [PDFN-8]  47.44 152.6 180 top
Q1#10  HYG025N06LS1C2  [PDFN-8]  107.39 152.6 180 top
Q1#11  HYG025N06LS1C2  [PDFN-8]  167.34 152.6 180 top
Q1#12  HYG025N06LS1C2  [PDFN-8]  227.29 152.6 180 top
Q1#13  HYG025N06LS1C2  [PDFN-8]  47.44 110.61 180 top
Q1#14  HYG025N06LS1C2  [PDFN-8]  107.39 110.61 180 top
Q1#15  HYG025N06LS1C2  [PDFN-8]  167.34 110.61 180 top
Q1#16  HYG025N06LS1C2  [PDFN-8]  227.29 110.61 180 top
Q1#17  HYG025N06LS1C2  [PDFN-8]  47.44 68.62 180 top
Q1#18  HYG025N06LS1C2  [PDFN-8]  107.39 68.62 180 top
Q1#19  HYG025N06LS1C2  [PDFN-8]  167.34 68.62 180 top
Q1#20  HYG025N06LS1C2  [PDFN-8]  227.29 68.62 180 top
Q1#21  HYG025N06LS1C2  [PDFN-8]  47.44 26.63 180 top
Q1#22  HYG025N06LS1C2  [PDFN-8]  107.39 26.63 180 top
Q1#23  HYG025N06LS1C2  [PDFN-8]  167.34 26.63 180 top
Q1#24  HYG025N06LS1C2  [PDFN-8]  227.29 26.63 180 top
Q2  HYG025N06LS1C2  [PDFN-8]  47.44 230.73 0 top
Q2#2  HYG025N06LS1C2  [PDFN-8]  107.39 230.73 0 top
Q2#3  HYG025N06LS1C2  [PDFN-8]  167.34 230.73 0 top
Q2#4  HYG025N06LS1C2  [PDFN-8]  227.29 230.73 0 top
Q2#5  HYG025N06LS1C2  [PDFN-8]  47.44 188.74 0 top
Q2#6  HYG025N06LS1C2  [PDFN-8]  107.39 188.74 0 top
Q2#7  HYG025N06LS1C2  [PDFN-8]  167.34 188.74 0 top
Q2#8  HYG025N06LS1C2  [PDFN-8]  227.29 188.74 0 top
Q2#9  HYG025N06LS1C2  [PDFN-8]  47.44 146.75 0 top
Q2#10  HYG025N06LS1C2  [PDFN-8]  107.39 146.75 0 top
Q2#11  HYG025N06LS1C2  [PDFN-8]  167.34 146.75 0 top
Q2#12  HYG025N06LS1C2  [PDFN-8]  227.29 146.75 0 top
Q2#13  HYG025N06LS1C2  [PDFN-8]  47.44 104.76 0 top
Q2#14  HYG025N06LS1C2  [PDFN-8]  107.39 104.76 0 top
Q2#15  HYG025N06LS1C2  [PDFN-8]  167.34 104.76 0 top
Q2#16  HYG025N06LS1C2  [PDFN-8]  227.29 104.76 0 top
Q2#17  HYG025N06LS1C2  [PDFN-8]  47.44 62.77 0 top
Q2#18  HYG025N06LS1C2  [PDFN-8]  107.39 62.77 0 top
Q2#19  HYG025N06LS1C2  [PDFN-8]  167.34 62.77 0 top
Q2#20  HYG025N06LS1C2  [PDFN-8]  227.29 62.77 0 top
Q2#21  HYG025N06LS1C2  [PDFN-8]  47.44 20.78 0 top
Q2#22  HYG025N06LS1C2  [PDFN-8]  107.39 20.78 0 top
Q2#23  HYG025N06LS1C2  [PDFN-8]  167.34 20.78 0 top
Q2#24  HYG025N06LS1C2  [PDFN-8]  227.29 20.78 0 top
Q3  HYG025N06LS1C2  [PDFN-8]  47.44 219.57 180 top
Q3#2  HYG025N06LS1C2  [PDFN-8]  107.39 219.57 180 top
Q3#3  HYG025N06LS1C2  [PDFN-8]  167.34 219.57 180 top
Q3#4  HYG025N06LS1C2  [PDFN-8]  227.29 219.57 180 top
Q3#5  HYG025N06LS1C2  [PDFN-8]  47.44 177.58 180 top
Q3#6  HYG025N06LS1C2  [PDFN-8]  107.39 177.58 180 top
Q3#7  HYG025N06LS1C2  [PDFN-8]  167.34 177.58 180 top
Q3#8  HYG025N06LS1C2  [PDFN-8]  227.29 177.58 180 top
